# Altium PCB 控制盒基板.PcbDoc (part 4 of 8) (continued)
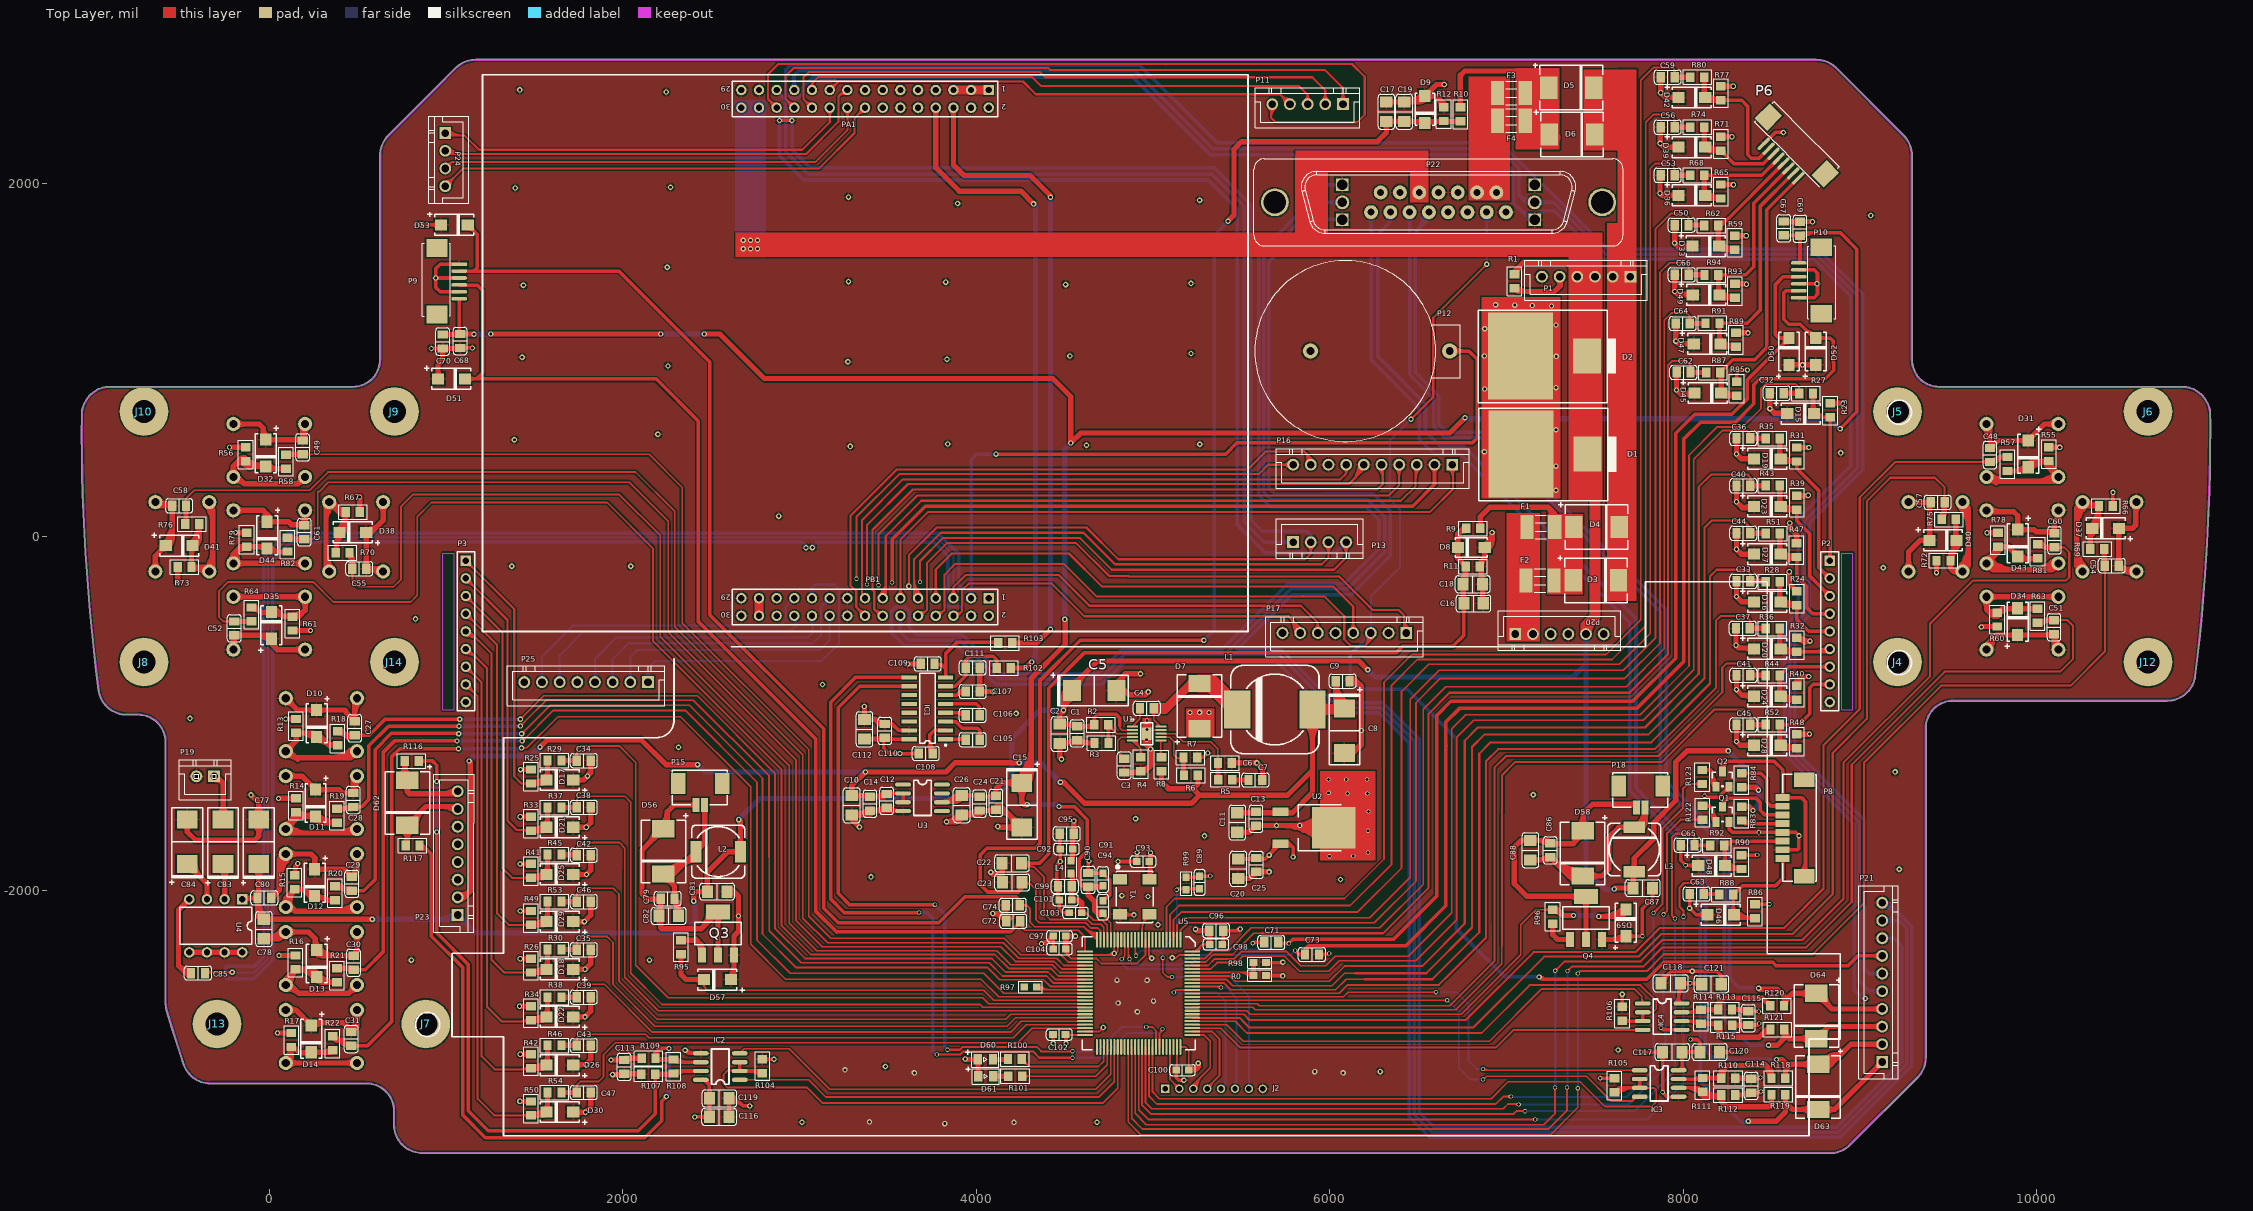
[diagram p0: Top Layer view]
## Nets (pads, with @x,y where several pads share a name; then routed paths per layer and width w, separated by ;. In a path a pad name is that pad's centre, name@x,y a point inside that pad or via, vN(x,y) a via of type N, cw(c..) or ccw(c..) an arc to the next point about the centre after c; other vN are vias at no path point) (continued)
LJ_G2: P8.8 Q2.3 | length 1792.1
  Top Layer w20: Q2.3@8222,-1327.69 8226,-1323.69 8226,-1291 ; P8.8@8685.02,-1920.03 8692,-1913.06 8692,-1498 8669.13,-1475.13 P8.8@8562.97,-1475.13 8562.97,-1317.97 8516,-1271 8246,-1271 ; 8226,-1291 cw(c8198.5,-1291) 8215.88,-1312.31 ccw(c8198.5,-1291) 8226,-1291 ; 8226,-1291 8246,-1271 ; 8246,-1271 ccw(c8283.19,-1308.2) 8231.52,-1318.01 cw(c8283.19,-1308.2) 8246,-1271 ; 8562.97,-1451.75 ccw(c8586.36,-1451.75) 8569.82,-1468.29 cw(c8586.36,-1451.75) 8562.97,-1451.75 ; 8562.97,-1451.75 cw(c8539.59,-1451.75) 8556.13,-1468.29 ccw(c8539.59,-1451.75) 8562.97,-1451.75 ; 8606.04,-1475.13 ccw(c8606.04,-1498.52) 8589.51,-1481.98 cw(c8606.04,-1498.52) 8606.04,-1475.13 ; 8606.04,-1475.13 cw(c8606.04,-1451.75) 8589.51,-1468.29 ccw(c8606.04,-1451.75) 8606.04,-1475.13 ; Q2.3@8211.87,-1321.74 cw(c8238.26,-1316.73) 8219.26,-1297.74 ccw(c8238.26,-1316.73) Q2.3@8211.87,-1321.74 ; P8.8@8662.86,-1897.87 ccw(c8592.52,-1827.53) 8692,-1827.53 cw(c8592.52,-1827.53) P8.8@8662.86,-1897.87 ; P8.8@8677.01,-1912.02 ccw(c8640.81,-1875.82) 8692,-1875.82 cw(c8640.81,-1875.82) P8.8@8677.01,-1912.02 ; 8692,-1861.21 ccw(c8743.85,-1861.21) 8707.19,-1897.87 cw(c8743.85,-1861.21) 8692,-1861.21
MIC_IN: P17.1 PB1.10 | length 4007
  Top Layer w12: PB1.10@3662.56,-437.82 cw(c3694.69,-472.77) 3696.69,-425.33 ; PB1.10@3671,-447 3688,-447 3721,-414 ; 6430.81,-510.34 ccw(c6444.07,-502.69) P17.1@6440.11,-517.47 ; P17.1@6433,-544 6420,-531 6420,-444 6390,-414 6243,-414 6053,-224 4862,-224 4859,-221 4751,-221 4564,-34 3837,-34 3721,-150 3721,-414 ; 3721,-414 cw(c3690.81,-383.81) 3678.04,-424.55 ccw(c3690.81,-383.81) 3721,-414 ; PB1.10@3674.45,-436 ccw(c3684.12,-405.14) 3706.99,-428.01 cw(c3684.12,-405.14) PB1.10@3674.45,-436 ; PB1.10@3694.53,-447 cw(c3710.29,-447) 3699.14,-435.86 ccw(c3710.29,-447) PB1.10@3694.53,-447 ; P17.1@6413.58,-524.58 ccw(c6398.08,-509.08) 6420,-509.08 cw(c6398.08,-509.08) P17.1@6413.58,-524.58 ; 6420,-504.25 ccw(c6472.75,-504.25) 6435.45,-541.55 cw(c6472.75,-504.25) 6420,-504.25 ; 6420,-475.28 ccw(c6501.72,-475.28) 6443.93,-533.06 cw(c6501.72,-475.28) 6420,-475.28 ; 6420,-446.31 ccw(c6530.69,-446.31) 6452.42,-524.58 cw(c6530.69,-446.31) 6420,-446.31
MT1_CTRL: D57.2 R95.2 U5.40 | length 2696.3
  Top Layer w10: D57.2@2460.21,-2505 2460.21,-2546.21 ; U5.40@4615.85,-2622.37 4614.91,-2621.43 4099.43,-2621.43 4043,-2565 2479,-2565 2460.21,-2546.21 ; 2460.21,-2546.21 ccw(c2441.41,-2546.21) 2449.22,-2529.11 cw(c2441.41,-2546.21) 2460.21,-2546.21 ; 2460.21,-2546.21 cw(c2479.01,-2546.21) 2471.21,-2529.11 ccw(c2479.01,-2546.21) 2460.21,-2546.21
  Top Layer w30: R95.2@2330,-2361.37 2330,-2476 2359,-2505 D57.2@2460.21,-2505 ; 2417.43,-2505 ccw(c2417.43,-2465.18) 2445.6,-2493.34 cw(c2417.43,-2465.18) 2417.43,-2505 ; 2417.43,-2505 cw(c2417.43,-2544.83) 2445.6,-2516.66 ccw(c2417.43,-2544.83) 2417.43,-2505
MT2_CTRL: D59.2 R96.2 U5.83 | length 3896.1
  Top Layer w8: U5.83@5222.15,-2681.42 5531.42,-2681.42 5551,-2701 ; 5543,-2693 5551,-2701 ; R96.2@7262,-2109.63 7165,-2109.63 7080,-2194.63 7080,-2365 6744,-2701 5551,-2701 ; 7210.69,-2109.63 ccw(c7210.69,-2062.26) 7244.19,-2095.76 cw(c7210.69,-2062.26) 7210.69,-2109.63 ; 7210.69,-2109.63 cw(c7210.69,-2157) 7244.19,-2123.51 ccw(c7210.69,-2157) 7210.69,-2109.63 ; 7230.01,-2109.63 ccw(c7230.01,-2081.57) 7249.85,-2101.41 cw(c7230.01,-2081.57) 7230.01,-2109.63 ; 7230.01,-2109.63 cw(c7230.01,-2137.69) 7249.85,-2117.85 ccw(c7230.01,-2137.69) 7230.01,-2109.63
  Top Layer w30: R96.2@7262,-2109.63 7288.63,-2109.63 7322,-2143 v1(7379,-2143) ; R96.2@7273.4,-2105.32 ccw(c7316.06,-2080.69) 7303.31,-2128.27 ; v1(7522,-2148) 7636.21,-2148 D59.2@7676,-2108.21 ; 7600.23,-2136.51 cw(c7647.34,-2218.11) D59.2@7671.73,-2127.1 ; 7637.27,-2148.59 ccw(c7615.02,-2110.05) D59.2@7659.51,-2110.86 ; R96.2@7265.94,-2118.25 cw(c7265.94,-2193.85) 7319.4,-2140.4 ccw(c7265.94,-2193.85) R96.2@7265.94,-2118.25 ; 7547.25,-2148 ccw(c7547.25,-1982.41) 7664.34,-2099.5 cw(c7547.25,-1982.41) 7547.25,-2148 ; 7619.68,-2148 ccw(c7619.68,-2054.84) 7685.55,-2120.71 cw(c7619.68,-2054.84) 7619.68,-2148 ; 7642.8,-2141.41 cw(c7676,-2174.61) 7676,-2127.66 ccw(c7676,-2174.61) 7642.8,-2141.41 ; D59.2@7649.93,-2134.28 ccw(c7626.81,-2111.17) 7659.5,-2111.17 cw(c7626.81,-2111.17) D59.2@7649.93,-2134.28
  Bottom Layer w30: v1(7379,-2143) 7517,-2143 v1(7522,-2148)
NetC3_2: C3.2 U1.4 | length 391.2
  Top Layer w8: 4809.82,-1226.45 cw(c4783.98,-1252.3) C3.2@4820.49,-1254.07 ; 4811.78,-1228.41 cw(c4790.19,-1250.01) C3.2@4820.54,-1253.36 ; C3.2@4812.59,-1252.48 ccw(c4768.97,-1247.67) 4800,-1216.63 ; 4816.91,-1230.94 cw(c4810.05,-1256.54) C3.2@4836.46,-1254.25 ; C3.2@4838,-1254.63 4800,-1216.63 ; U1.4@4883.29,-1132.68 4819.32,-1132.68 4800,-1152 4800,-1216.63 ; 4808.68,-1225.31 ccw(c4832.1,-1201.89) 4832.1,-1235.01 cw(c4832.1,-1201.89) 4808.68,-1225.31
NetC4_1: C4.1 D7.2 L1.1 U1.10 | length 951
  Top Layer w8: C4.1@5005.37,-970 5005.37,-1034.29 U1.10@5044.71,-1073.63 ; 5011.43,-1040.35 cw(c4978.15,-1073.63) U1.10@5025.21,-1073.63 ; 5025.08,-1054.01 cw(c5005.46,-1073.63) U1.10@5033.21,-1073.63 ; 5038.74,-1067.66 cw(c5032.77,-1073.63) U1.10@5041.21,-1073.63 ; 5005.37,-1023.28 ccw(c4958,-1023.28) 4991.5,-989.78 cw(c4958,-1023.28) 5005.37,-1023.28 ; 5005.37,-1023.28 cw(c5052.74,-1023.28) 5019.25,-989.78 ccw(c5052.74,-1023.28) 5005.37,-1023.28 ; 5005.37,-1003.96 ccw(c4977.31,-1003.96) 4997.15,-984.12 cw(c4977.31,-1003.96) 5005.37,-1003.96 ; 5005.37,-1003.96 cw(c5033.43,-1003.96) 5013.59,-984.12 ccw(c5033.43,-1003.96) 5005.37,-1003.96
  Top Layer w50: 5070,-976 5215.95,-830.05 D7.2@5263,-830.05
  Top Layer w100: D7.2@5263,-830.05 5330.45,-830.05 L1.1@5477.4,-977
NetC4_2: C4.2 U1.1 | length 358.6
  Top Layer w8: U1.1@4883.29,-1073.63 4926.63,-1030.29 C4.2@4926.63,-970 ; 4926.63,-1023.28 ccw(c4879.26,-1023.28) 4912.75,-989.78 cw(c4879.26,-1023.28) 4926.63,-1023.28 ; 4926.63,-1023.28 cw(c4974,-1023.28) 4940.5,-989.78 ccw(c4974,-1023.28) 4926.63,-1023.28 ; 4926.63,-1003.96 ccw(c4898.57,-1003.96) 4918.41,-984.12 cw(c4898.57,-1003.96) 4926.63,-1003.96 ; 4926.63,-1003.96 cw(c4954.69,-1003.96) 4934.85,-984.12 ccw(c4954.69,-1003.96) 4926.63,-1003.96
NetC6_2: C6.2 R5.2 U1.8 | length 815
  Top Layer w8: U1.8@5044.71,-1113 5125,-1113 5170,-1158 5327,-1158 5367.63,-1198.63 C6.2@5367.63,-1279 ; 5367.63,-1247.01 ccw(c5395.69,-1247.01) 5375.85,-1266.85 cw(c5395.69,-1247.01) 5367.63,-1247.01 ; 5367.63,-1247.01 cw(c5339.57,-1247.01) 5359.41,-1266.85 ccw(c5339.57,-1247.01) 5367.63,-1247.01 ; 5367.63,-1227.69 ccw(c5415,-1227.69) 5381.5,-1261.19 cw(c5415,-1227.69) 5367.63,-1227.69 ; 5367.63,-1227.69 cw(c5320.26,-1227.69) 5353.75,-1261.19 ccw(c5320.26,-1227.69) 5367.63,-1227.69
  Top Layer w30: C6.2@5367.63,-1279 5367.63,-1372 R5.2@5369.63,-1374 ; 5367.63,-1344.42 ccw(c5395.27,-1344.42) 5375.73,-1363.97 cw(c5395.27,-1344.42) 5367.63,-1344.42
NetC7_2: C7.2 R5.1 | length 136.2
  Top Layer w30: R5.1@5448.37,-1374 5450.37,-1376 C7.2@5540.63,-1376 ; R5.1@5454.47,-1384.03 cw(c5473.86,-1403.43) 5473.86,-1376 ccw(c5473.86,-1403.43) R5.1@5454.47,-1384.03
NetC79_1: C79.1 C82.2 D56.1 P15.2 Q3.2 Q3.4 | length 2994.3
  Top Layer w30: 2166.23,-1710.95 cw(c2243.37,-1731.62) D56.1@2217.58,-1656.03 ; C82.2@2204.88,-2145 C82.2@2214.63,-2135.25 ; 2207.54,-2104.59 ccw(c2221.76,-2112.8) C82.2@2213.34,-2126.9 ; P15.2@2414.39,-1517.02 2290.98,-1517.02 2252,-1556 ; 2446.99,-2214.96 ccw(c2354.98,-2122.95) Q3.4@2485.1,-2122.95 ; 2457.24,-2204.71 ccw(c2388.37,-2135.84) Q3.4@2485.25,-2125.78 ; 2477.34,-2175.33 cw(c2559.94,-2188.51) Q3.4@2510.85,-2120.78 ; Q3.4@2498.2,-2163.75 ccw(c2457.41,-2122.95) Q3.4@2515.1,-2122.95 ; Q3.2@2539,-2367.05 Q3.4@2539,-2122.95 2443.95,-2218 2222,-2218 2214.63,-2210.63 C82.2@2214.63,-2135.25 ; C82.2@2214.63,-2135.25 C79.1@2214.63,-2047 2210.63,-2051 2143,-2051 2109,-2017 2109,-1773.05 D56.1@2230,-1652.05 2252,-1630.05 2252,-1556 ; 2252,-1556 cw(c2156.31,-1556) 2220.74,-1626.75 ccw(c2156.31,-1556) 2252,-1556 ; 2539,-2188.92 ccw(c2473.04,-2188.92) 2519.68,-2142.27 cw(c2473.04,-2188.92) 2539,-2188.92 ; 2539,-2188.92 cw(c2604.96,-2188.92) 2558.32,-2142.27 ccw(c2604.96,-2188.92) 2539,-2188.92 ; 2148.07,-1733.97 ccw(c2066.15,-1652.05) 2182.01,-1652.05 cw(c2066.15,-1652.05) 2148.07,-1733.97 ; D56.1@2181.34,-1700.71 cw(c2216.22,-1735.59) 2216.22,-1686.26 ccw(c2216.22,-1735.59) D56.1@2181.34,-1700.71 ; 2189.21,-2051 cw(c2189.21,-2078.32) 2208.53,-2059 ccw(c2189.21,-2078.32) 2189.21,-2051 ; C82.2@2193.22,-2129.4 ccw(c2141.52,-2077.7) 2214.63,-2077.7 cw(c2141.52,-2077.7) C82.2@2193.22,-2129.4 ; C82.2@2193.34,-2160.72 cw(c2143.69,-2211.39) 2214.63,-2211.39 ccw(c2143.69,-2211.39) C82.2@2193.34,-2160.72 ; 2252,-1589.29 ccw(c2306.53,-1589.29) 2267.97,-1627.85 cw(c2306.53,-1589.29) 2252,-1589.29
NetC79_2: C79.2 C82.1 D56.2 L2.1 P15.1 | length 2285.2
  Top Layer w30: D56.2@2247.43,-1910.06 cw(c2353.95,-1971.56) 2322.11,-1852.75 ; D56.2@2262.48,-1879.3 ccw(c2293.32,-1832.06) 2307.92,-1886.55 ccw(c2319.42,-1929.46) D56.2@2276.69,-1917.31 ; D56.2@2275.21,-1921.46 ccw(c2313.15,-1937.76) 2283.96,-1966.96 ; D56.2@2276.93,-1916.42 ccw(c2337.77,-1931.96) 2293.37,-1976.37 ; C79.2@2301.7,-2055.14 ccw(c2349.27,-2067.88) 2306.62,-2092.51 ; C82.1@2315.12,-2145 2314.37,-2144.25 2314.37,-2068 C79.2@2293.37,-2047 2293.37,-1976.37 ; P15.1@2463.61,-1517.02 2463.61,-1731.41 ; 2293.37,-1976.37 2230,-1913 D56.2@2230,-1907.95 2287.06,-1907.95 L2.1@2414.02,-1781 2463.61,-1731.41 ; 2463.61,-1731.41 cw(c2439.11,-1706.91) 2422.11,-1737.1 ccw(c2439.11,-1706.91) 2463.61,-1731.41 ; D56.2@2243.78,-1942.16 cw(c2243.78,-1979.31) 2270.04,-1953.04 ccw(c2243.78,-1979.31) D56.2@2243.78,-1942.16 ; D56.2@2243.78,-1903.74 ccw(c2243.78,-1789.07) 2324.86,-1870.15 cw(c2243.78,-1789.07) D56.2@2243.78,-1903.74 ; D56.2@2243.78,-1873.74 ccw(c2243.78,-1686.65) 2376.08,-1818.94 cw(c2243.78,-1686.65) D56.2@2243.78,-1873.74 ; C79.2@2287.27,-2059 cw(c2221.86,-2124.42) 2314.37,-2124.42 ccw(c2221.86,-2124.42) C79.2@2287.27,-2059 ; C82.1@2300.83,-2132.82 ccw(c2255.74,-2106.78) 2306.03,-2093.31 cw(c2255.74,-2106.78) C82.1@2300.83,-2132.82 ; C82.1@2303.45,-2129.4 ccw(c2277.1,-2103.05) 2314.37,-2103.05 cw(c2277.1,-2103.05) C82.1@2303.45,-2129.4 ; 2314.37,-2099.43 ccw(c2356.75,-2099.43) 2326.78,-2129.4 cw(c2356.75,-2099.43) 2314.37,-2099.43 ; 2335.45,-1859.57 cw(c2414.02,-1938.13) 2414.02,-1827.02 ccw(c2414.02,-1938.13) 2335.45,-1859.57
NetC83_1: C83.1 U4.2 | length 588.1
  Top Layer w30: C83.1@-261,-1850.98 -252.5,-1859.49 U4.2@-252.5,-2050.98 ; -252.5,-2015.91 ccw(c-217.42,-2015.91) -242.22,-2040.71 cw(c-217.42,-2015.91) -252.5,-2015.91 ; -252.5,-2015.91 cw(c-287.57,-2015.91) -262.77,-2040.71 ccw(c-287.57,-2015.91) -252.5,-2015.91 ; C83.1@-278.71,-1876.57 cw(c-342,-1939.85) -252.5,-1939.85 ccw(c-342,-1939.85) C83.1@-278.71,-1876.57 ; -252.5,-1936.81 cw(c-167.3,-1936.81) -227.54,-1876.57 ccw(c-167.3,-1936.81) -252.5,-1936.81
NetC84_1: C84.1 U4.3 | length 711.4
  Top Layer w30: C84.1@-464,-1850.98 -352.5,-1962.49 U4.3@-352.5,-2050.98 ; C84.1@-457.8,-1856.93 cw(c-478.86,-1931.87) -403.67,-1911.73 ; -352.5,-2015.91 ccw(c-317.42,-2015.91) -342.22,-2040.71 cw(c-317.42,-2015.91) -352.5,-2015.91 ; -352.5,-2015.91 cw(c-387.57,-2015.91) -362.77,-2040.71 ccw(c-387.57,-2015.91) -352.5,-2015.91 ; C84.1@-456.13,-1887.17 cw(c-456.13,-1955.5) -407.8,-1907.18 ccw(c-456.13,-1955.5) C84.1@-456.13,-1887.17 ; C84.1@-419.94,-1850.98 ccw(c-313.59,-1850.98) -388.79,-1926.19 cw(c-313.59,-1850.98) C84.1@-419.94,-1850.98
NetC85_2: C85.2 U4.4 | length 786.2
  Top Layer w30: -495.73,-2443.27 ccw(c-462.27,-2409.81) C85.2@-445.44,-2454.04 ; C85.2@-464.55,-2474.45 ccw(c-442.75,-2452.65) C85.2@-441.51,-2483.46 ; C85.2@-462.96,-2476.04 ccw(c-444.2,-2457.28) C85.2@-434.77,-2482.08 ; U4.4@-452.5,-2050.98 -513,-2111.49 -513,-2426 ; C85.2@-442.71,-2453.48 cw(c-446.48,-2359.49) -513,-2426 ; C85.2@-442.37,-2468 -471,-2468 -513,-2426 ; -477.3,-2075.78 ccw(c-502.1,-2050.98) -467.02,-2050.98 cw(c-502.1,-2050.98) -477.3,-2075.78 ; -477.3,-2075.78 cw(c-452.5,-2100.58) -452.5,-2065.51 ccw(c-452.5,-2100.58) -477.3,-2075.78
NetC86_1: C86.1 C88.2 D58.1 P18.2 Q4.2 Q4.4 | length 2951.6
  Top Layer w30: 7205.2,-1722.95 ccw(c7226.19,-1686.58) C86.1@7239.39,-1726.44 ; D58.1@7386.85,-1678.8 cw(c7343.36,-1701.35) 7378,-1736 ; Q4.2@7450,-2278.05 Q4.4@7450,-2033.95 7115.95,-2033.95 7044,-1962 7044,-1756 7082.12,-1717.88 C88.2@7136,-1717.88 7231.25,-1717.88 7249.37,-1736 7378,-1736 ; P18.2@7735.39,-1532.02 7716.39,-1513.02 7486.98,-1513.02 7434,-1566 7434,-1660.05 D58.1@7431,-1663.05 7431,-1683 7378,-1736 ; 7092.24,-1717.88 ccw(c7092.24,-1678.06) 7120.4,-1706.22 cw(c7092.24,-1678.06) 7092.24,-1717.88 ; 7092.24,-1717.88 cw(c7092.24,-1757.71) 7120.4,-1729.55 ccw(c7092.24,-1757.71) 7092.24,-1717.88 ; 7179.76,-1717.88 ccw(c7179.76,-1757.71) 7151.6,-1729.55 cw(c7179.76,-1757.71) 7179.76,-1717.88 ; 7179.76,-1717.88 cw(c7179.76,-1678.06) 7151.6,-1706.22 ccw(c7179.76,-1678.06) 7179.76,-1717.88 ; 7357.46,-2033.95 ccw(c7357.46,-1967.99) 7404.11,-2014.63 cw(c7357.46,-1967.99) 7357.46,-2033.95 ; 7357.46,-2033.95 cw(c7357.46,-2099.92) 7404.11,-2053.27 ccw(c7357.46,-2099.92) 7357.46,-2033.95 ; 7450,-2099.92 ccw(c7384.04,-2099.92) 7430.68,-2053.27 cw(c7384.04,-2099.92) 7450,-2099.92 ; 7450,-2099.92 cw(c7515.96,-2099.92) 7469.32,-2053.27 ccw(c7515.96,-2099.92) 7450,-2099.92 ; 7180.85,-1717.88 cw(c7180.85,-1795.88) 7236,-1740.73 ccw(c7180.85,-1795.88) 7180.85,-1717.88 ; C86.1@7260,-1728.53 ccw(c7278.03,-1710.51) 7278.03,-1736 cw(c7278.03,-1710.51) C86.1@7260,-1728.53 ; D58.1@7406.81,-1638.85 ccw(c7341.16,-1573.21) 7434,-1573.21 cw(c7341.16,-1573.21) D58.1@7406.81,-1638.85 ; 7434,-1587.69 ccw(c7506.36,-1587.69) 7455.19,-1638.85 cw(c7506.36,-1587.69) 7434,-1587.69
NetC86_2: C86.2 C88.1 D58.2 L3.1 P18.1 | length 3237.4
  Top Layer w30: C88.1@7136,-1828.12 7233.25,-1828.12 C86.2@7248,-1813.37 7353.58,-1918.95 ; 7208.26,-1823.29 cw(c7225.5,-1853.15) C86.2@7238.78,-1821.33 ; C86.2@7250.18,-1815.55 ccw(c7417.22,-1648.51) D58.2@7417.22,-1884.74 ; C86.2@7262.23,-1811.14 ccw(c7294.71,-1802.44) 7277.9,-1831.55 ; 7279.82,-1845.19 ccw(c7383.14,-1741.88) D58.2@7410.76,-1885.36 ; 7301.39,-1866.76 ccw(c7417.22,-1750.93) D58.2@7417.22,-1914.74 ; 7319.81,-1885.18 ccw(c7396.05,-1808.94) D58.2@7416.42,-1914.82 ; 7329.87,-1879.55 cw(c7321.06,-2002.23) D58.2@7414.04,-1921.71 ; 7352.61,-1917.98 ccw(c7417.22,-1853.36) D58.2@7417.22,-1944.74 ; 7359.8,-1925.17 ccw(c7408.96,-1876.01) D58.2@7422.09,-1944.28 ; L3.1@7768.12,-1637.63 cw(c7826.04,-1617.63) 7776.02,-1582.23 ; P18.1@7784.61,-1532.02 P18.1@7787,-1534.41 ; 7179.76,-1828.12 ccw(c7179.76,-1867.94) 7151.6,-1839.78 cw(c7179.76,-1867.94) 7179.76,-1828.12 ; 7179.76,-1828.12 cw(c7179.76,-1788.29) 7151.6,-1816.45 ccw(c7179.76,-1788.29) 7179.76,-1828.12 ; 7353.59,-1918.95 ccw(c7353.59,-1876.88) 7388.68,-1900.08 cw(c7353.59,-1876.88) 7353.59,-1918.95 ; 7353.59,-1918.95 cw(c7353.59,-1961.03) 7388.68,-1937.82 ccw(c7353.59,-1961.03) 7353.59,-1918.95 ; 7353.58,-1918.95 D58.2@7431,-1918.95 7540.05,-1918.95 7578,-1881 7578,-1701 7635.98,-1643.02 L3.1@7723,-1643.02 7749.98,-1643.02 7787,-1606 P18.1@7787,-1534.41 ; 7527.38,-1918.95 ccw(c7527.38,-2001.55) 7468.97,-1943.14 cw(c7527.38,-2001.55) 7527.38,-1918.95 ; 7527.38,-1918.95 cw(c7527.38,-1836.36) 7468.97,-1894.76 ccw(c7527.38,-1836.36) 7527.38,-1918.95 ; 7653.65,-1643.02 ccw(c7653.65,-1603.19) 7681.81,-1631.35 cw(c7653.65,-1603.19) 7653.65,-1643.02 ; 7653.65,-1643.02 cw(c7653.65,-1682.84) 7681.81,-1654.68 ccw(c7653.65,-1682.84) 7653.65,-1643.02 ; P18.1@7787,-1534.42 cw(c7662.32,-1534.42) 7741.99,-1630.33 ccw(c7662.32,-1534.42) P18.1@7787,-1534.42 ; 7185.67,-1828.12 ccw(c7185.67,-1756.95) 7236,-1807.27 cw(c7185.67,-1756.95) 7185.67,-1828.12 ; C86.2@7262.53,-1813.37 ccw(c7297.6,-1813.37) 7272.8,-1838.17 cw(c7297.6,-1813.37) C86.2@7262.53,-1813.37 ; L3.1@7752.53,-1626.52 ccw(c7752.53,-1592.84) 7776.34,-1616.66 cw(c7752.53,-1592.84) L3.1@7752.53,-1626.52 ; L3.1@7761.16,-1653.4 ccw(c7715.42,-1598.34) 7787,-1598.34 cw(c7715.42,-1598.34) L3.1@7761.16,-1653.4 ; L3.1@7769.02,-1643.02 cw(c7814.99,-1643.02) 7782.49,-1610.51 ccw(c7814.99,-1643.02) L3.1@7769.02,-1643.02
NetC105_1: C105.1 IC1.3 | length 369.8
  Top Layer w20: IC1.3@3826.36,-1045 3884,-1045 3922,-1083 4007,-1083 4019,-1095 4019,-1147.63 C105.1@4019.37,-1148 ; C105.1@4009.74,-1132.46 ccw(c3987.38,-1110.1) 4019,-1110.1 cw(c3987.38,-1110.1) C105.1@4009.74,-1132.46 ; 4019,-1108.31 ccw(c4053.15,-1108.31) 4029,-1132.46 cw(c4053.15,-1108.31) 4019,-1108.31
NetC105_2: C105.2 IC1.1 | length 218.8
  Top Layer w20: IC1.1@3826.36,-1145 3937.63,-1145 C105.2@3940.63,-1148 ; 3900.73,-1145 ccw(c3900.73,-1102.19) 3931,-1132.46 cw(c3900.73,-1102.19) 3900.73,-1145 ; 3914.76,-1145 cw(c3914.76,-1167.97) 3931,-1151.73 ccw(c3914.76,-1167.97) 3914.76,-1145
NetC106_1: C106.1 IC1.5 | length 350
  Top Layer w20: IC1.5@3826.36,-945 4000,-945 4019.37,-964.37 C106.1@4019.37,-1010 ; 4019.37,-971.21 ccw(c4052.26,-971.21) 4029,-994.46 cw(c4052.26,-971.21) 4019.37,-971.21 ; 4019.37,-971.21 cw(c3986.48,-971.21) 4009.74,-994.46 ccw(c3986.48,-971.21) 4019.37,-971.21
NetC106_2: C106.2 IC1.4 | length 244
  Top Layer w20: IC1.4@3826.36,-995 3925.63,-995 C106.2@3940.63,-1010 ; 3908.92,-1000.98 ccw(c3916.66,-987.56) C106.2@3929.42,-996.36 ; 3885.79,-995 cw(c3885.79,-1058.94) 3931,-1013.73 ccw(c3885.79,-1058.94) 3885.79,-995
NetC107_1: C107.1 IC1.6 | length 428.3
  Top Layer w20: IC1.6@3826.36,-895 3890,-895 ; 3894.69,-890.31 cw(c3916.33,-911.96) C107.1@3933.15,-886.38 ; 3897.4,-887.6 cw(c3931.44,-921.65) C107.1@3942.03,-874.68 ; 3906.4,-878.6 cw(c3927.05,-899.24) C107.1@3944.43,-875.78 ; 3912.05,-872.95 cw(c3930.11,-891.01) C107.1@3944.13,-869.67 ; C107.1@3932.52,-891.85 ccw(c3913.09,-918.09) 3890,-895 ; C107.1@3940.63,-875 3910,-875 ; 3890,-895 3910,-875 ; 3910,-875 ccw(c3910,-847.38) 3930.51,-865.88 cw(c3910,-847.38) 3910,-875 ; 3910,-875 cw(c3910,-902.62) 3930.51,-884.12 ccw(c3910,-902.62) 3910,-875
NetC108_2: C108.2 IC1.2 | length 528.7
  Top Layer w20: 3730.64,-1183.64 cw(c3703.96,-1210.31) C108.2@3741,-1217.5 ; C108.2@3741.83,-1214.78 ccw(c3721.03,-1205.97) 3737,-1190 ; C108.2@3742.95,-1212.66 ccw(c3713.33,-1193.38) 3743.94,-1175.71 ; C108.2@3754.37,-1226 3754.37,-1207.37 3737,-1190 ; IC1.2@3826.36,-1095 3763,-1095 3737,-1121 3737,-1190 ; 3737,-1193.56 ccw(c3780.91,-1193.56) 3749.86,-1224.6 cw(c3780.91,-1193.56) 3737,-1193.56 ; 3737,-1145.27 ccw(c3829.19,-1145.27) 3764,-1210.46 cw(c3829.19,-1145.27) 3737,-1145.27
NetC109_1: C109.1 IC1.8 R103.1 | length 738.8
  Top Layer w20: C109.1@3764.37,-719 3768.37,-723 3806,-723 3826.36,-743.36 ; IC1.8@3826.36,-795 3826.36,-743.36 ; R103.1@4124.63,-601 4120.63,-597 3891,-597 3826.36,-661.64 3826.36,-743.36 ; C109.1@3774,-734.54 cw(c3801.86,-762.39) 3801.86,-723 ccw(c3801.86,-762.39) C109.1@3774,-734.54 ; C109.1@3774,-715.27 ccw(c3792.66,-696.62) 3792.66,-723 cw(c3792.66,-696.62) C109.1@3774,-715.27 ; 4091.59,-597 cw(c4091.59,-630.1) 4115,-606.7 ccw(c4091.59,-630.1) 4091.59,-597 ; 4091.9,-597 ccw(c4091.9,-564.33) 4115,-587.43 cw(c4091.9,-564.33) 4091.9,-597
NetC111_1: C111.1 IC1.7 R102.1 | length 775.7
  Top Layer w20: IC1.7@3826.36,-845 3881,-845 3940.63,-785.37 C111.1@3940.63,-741 3940.63,-697.37 3962,-676 4096,-676 4116.63,-696.63 R102.1@4116.63,-742 ; 3940.63,-779.79 ccw(c3907.74,-779.79) 3931,-756.54 cw(c3907.74,-779.79) 3940.63,-779.79 ; 3940.63,-779.79 cw(c3973.52,-779.79) 3950.26,-756.54 ccw(c3973.52,-779.79) 3940.63,-779.79 ; 3940.63,-702.21 ccw(c3973.52,-702.21) 3950.26,-725.46 cw(c3973.52,-702.21) 3940.63,-702.21 ; 3940.63,-702.21 cw(c3907.74,-702.21) 3931,-725.46 ccw(c3907.74,-702.21) 3940.63,-702.21 ; 4116.63,-705.18 ccw(c4149.52,-705.18) 4126.26,-728.43 cw(c4149.52,-705.18) 4116.63,-705.18 ; 4116.63,-705.18 cw(c4083.74,-705.18) 4107,-728.43 ccw(c4083.74,-705.18) 4116.63,-705.18
NetD10_2: D10.2 K_H1.2 R13.1 R18.2 | length 2376.9
  Top Layer w30: K_H1.2@89.7,-1215.99 ccw(c146.05,-1173.83) 136.01,-1243.48 ; K_H1.2@96.66,-1237.82 cw(c105.91,-1315.37) 161.14,-1260.14 ; K_H1.2@100.63,-1237.01 cw(c114.81,-1286.18) 151,-1250 ; 216.66,-1117.59 ccw(c235.86,-1084.34) D10.2@258.34,-1115.46 ; D10.2@268,-1151.24 cw(c268,-1258.03) 343.52,-1182.52 ; D10.2@269.59,-1151.16 cw(c277.53,-1233.47) 336,-1175 ; R18.2@387,-1179.37 382.63,-1175 336,-1175 ; 407.55,-1236.67 cw(c447.79,-1306.35) K_H1.2@485.22,-1235.12 ; 446.74,-1247.5 ccw(c420.96,-1202.84) K_H1.2@472.07,-1209.68 ; 454.69,-1209.45 cw(c477.73,-1249.37) K_H1.2@499.18,-1208.57 ; 457.09,-1241.52 cw(c479.03,-1279.51) K_H1.2@490.38,-1237.14 ; K_H1.2@471.99,-1215.64 cw(c429.95,-1220.1) 459.85,-1250 ; K_H1.2@494.21,-1237.85 ccw(c489.74,-1279.89) 459.85,-1250 ; K_H1.2@496.85,-1212.99 459.84,-1250 ; 136.38,-1170.31 ccw(c179.06,-1212.99) 118.7,-1212.99 cw(c179.06,-1212.99) 136.38,-1170.31 ; 136.38,-1170.31 cw(c93.7,-1127.64) 93.7,-1187.99 ccw(c93.7,-1127.64) 136.38,-1170.31 ; 151,-1250 459.84,-1250 ; 151,-1250 113.99,-1212.99 K_H1.2@93.7,-1212.99 152,-1154.69 R13.1@152,-1109.37 245.58,-1109.37 D10.2@268,-1131.79 292.79,-1131.79 336,-1175 ; 181.18,-1109.37 cw(c181.18,-1215.65) 256.34,-1140.5 ccw(c181.18,-1215.65) 181.18,-1109.37 ; 347.15,-1250 ccw(c347.15,-1063.29) 479.17,-1195.31 cw(c347.15,-1063.29) 347.15,-1250 ; 351.7,-1175 cw(c351.7,-1210.74) 376.97,-1185.47 ccw(c351.7,-1210.74) 351.7,-1175 ; 419.58,-1250 ccw(c419.58,-1135.72) 500.39,-1216.53 cw(c419.58,-1135.72) 419.58,-1250
NetD11_2: D11.2 K_H2.2 R14.1 R19.2 | length 3279.5
  Top Layer w30: K_H2.2@87.23,-1629.79 ccw(c68.76,-1560.87) 130.56,-1596.54 ; K_H2.2@87.65,-1629.68 ccw(c67.77,-1549.95) 138.94,-1591.03 ; K_H2.2@102.5,-1645.14 ccw(c15.73,-1558.37) R14.1@138.44,-1558.37 ; K_H2.2@108.62,-1674 cw(c121.15,-1690.85) 136,-1676 ; K_H2.2@111.72,-1671.26 cw(c140.3,-1698.74) 160.13,-1664.4 ; K_H2.2@114.81,-1632.83 ccw(c54.96,-1572.99) R14.1@138.55,-1559.72 ; 121.24,-1621.68 ccw(c150.67,-1638.67) 117.85,-1647.47 cw(c165.52,-1634.69) 122.78,-1610.01 ; 134.52,-1598.2 cw(c183.5,-1603.33) R14.1@152.49,-1565.07 ; 153.71,-1593.92 ccw(c118.16,-1558.37) R14.1@168.44,-1558.37 ; 156.42,-1591.22 ccw(c126.79,-1561.59) R14.1@168.18,-1555.02 ; R14.1@157.17,-1566.7 cw(c169.92,-1614.27) 194.54,-1571.62 ; 199.54,-1573.01 ccw(c217.07,-1507.59) D11.2@253.2,-1564.88 ; D11.2@262,-1601.24 cw(c262,-1666.99) 308.5,-1620.5 ; D11.2@263.07,-1601.2 cw(c266.59,-1655.41) 305,-1617 ; D11.2@267.12,-1600.42 cw(c292.33,-1677.6) 332.92,-1607.29 ; R19.2@384,-1617.37 383.63,-1617 305,-1617 ; 430.43,-1664.4 cw(c450.25,-1698.74) K_H2.2@478.83,-1671.26 ; K_H2.2@496.85,-1653.94 474.79,-1676 136,-1676 ; 136,-1676 113.94,-1653.94 K_H2.2@93.7,-1653.94 151,-1596.64 R14.1@151,-1558.37 165.37,-1558.37 188.79,-1581.79 ; 136.38,-1611.26 ccw(c179.06,-1653.94) 118.7,-1653.94 cw(c179.06,-1653.94) 136.38,-1611.26 ; 136.38,-1611.26 cw(c93.7,-1568.58) 93.7,-1628.94 ccw(c93.7,-1568.58) 136.38,-1611.26 ; 188.79,-1581.79 cw(c188.79,-1556.51) 163.55,-1557.9 ccw(c188.79,-1556.51) 188.79,-1581.79 ; 188.79,-1581.79 D11.2@262,-1581.79 269.79,-1581.79 305,-1617 ; 222.18,-1581.79 ccw(c222.18,-1541.96) 250.34,-1570.12 cw(c222.18,-1541.96) 222.18,-1581.79 ; 222.18,-1581.79 cw(c222.18,-1621.61) 250.34,-1593.45 ccw(c222.18,-1621.61) 222.18,-1581.79 ; K_H2.2@90.17,-1657.47 ccw(c134.89,-1612.75) 134.89,-1676 cw(c134.89,-1612.75) K_H2.2@90.17,-1657.47 ; K_H2.2@111.38,-1636.26 ccw(c207.32,-1540.32) 207.32,-1676 cw(c207.32,-1540.32) K_H2.2@111.38,-1636.26 ; R14.1@154.94,-1566.99 cw(c154.94,-1612.99) 187.47,-1580.47 ccw(c154.94,-1612.99) R14.1@154.94,-1566.99 ; R14.1@161.03,-1552.27 ccw(c232.29,-1481.02) 232.29,-1581.79 cw(c232.29,-1481.02) R14.1@161.03,-1552.27 ; D11.2@252.45,-1594.29 ccw(c307.28,-1539.46) 307.28,-1617 cw(c307.28,-1539.46) D11.2@252.45,-1594.29 ; D11.2@273.67,-1573.08 ccw(c379.71,-1467.04) 379.71,-1617 cw(c379.71,-1467.04) D11.2@273.67,-1573.08 ; 383.23,-1676 ccw(c383.23,-1540.32) 479.17,-1636.26 cw(c383.23,-1540.32) 383.23,-1676 ; 455.66,-1676 ccw(c455.66,-1612.75) 500.39,-1657.47 cw(c455.66,-1612.75) 455.66,-1676
NetD12_2: D12.2 K_H3.2 R15.1 R20.2 | length 2046
  Top Layer w30: K_H3.2@97.18,-2098.47 ccw(c48.17,-2047.97) 118.54,-2049.02 ; K_H3.2@108.52,-2115.02 cw(c126.52,-2139.47) 148,-2118 ; 128.49,-2021.23 ccw(c100.39,-2005) R15.1@131.74,-1996.6 ; 192.37,-1994.37 ccw(c241.54,-1945.2) D12.2@254.04,-2013.61 ; 206.95,-2008.95 ccw(c232.37,-1983.54) D12.2@249.25,-2015.27 ; R20.2@372,-2055.37 329.37,-2055.37 317,-2043 267.21,-2043 D12.2@257,-2032.79 230.79,-2032.79 192.37,-1994.37 R15.1@144,-1994.37 93.7,-2044.67 K_H3.2@93.7,-2094.88 124.88,-2094.88 148,-2118 ; 428.81,-2106.28 cw(c449.84,-2142.71) K_H3.2@479.33,-2112.71 ; K_H3.2@496.85,-2094.88 473.73,-2118 148,-2118 ; 93.7,-2044.67 ccw(c131.62,-2044.67) 108.77,-2074.93 cw(c131.62,-2044.67) 93.7,-2044.67 ; 93.7,-2044.67 cw(c55.78,-2044.67) 78.63,-2074.93 ccw(c55.78,-2044.67) 93.7,-2044.67 ; K_H3.2@88.85,-2096.1 cw(c154.43,-2079.58) 106.61,-2031.76 ccw(c154.43,-2079.58) K_H3.2@88.85,-2096.1 ; K_H3.2@117.94,-2088.77 cw(c214.16,-2064.53) R15.1@144,-1994.37 ccw(c214.16,-2064.53) K_H3.2@117.94,-2088.77 ; R15.1@122.56,-2015.81 ccw(c101.12,-1994.37) 131.44,-1994.37 cw(c101.12,-1994.37) R15.1@122.56,-2015.81 ; D12.2@268.67,-2024.08 ccw(c314.35,-1978.39) 314.35,-2043 cw(c314.35,-1978.39) D12.2@268.67,-2024.08 ; 380.68,-2118 ccw(c380.68,-1978.72) 479.17,-2077.2 cw(c380.68,-1978.72) 380.68,-2118 ; 453.11,-2118 ccw(c453.11,-2051.14) 500.39,-2098.42 cw(c453.11,-2051.14) 453.11,-2118
NetD13_2: D13.2 K_H4.2 R16.1 R21.2 | length 2583.4
  Top Layer w30: K_H4.2@96.49,-2539.98 ccw(c57.18,-2481.6) 126.26,-2495.08 ; K_H4.2@97.98,-2560.46 cw(c111.24,-2636.76) 166,-2582 ; 133.07,-2477.42 ccw(c101.32,-2459.09) R16.1@136.74,-2449.6 ; R16.1@157.25,-2454.84 cw(c172.97,-2482.06) 181.1,-2451.7 ; 206.88,-2457.14 ccw(c250.17,-2403.54) D13.2@265.36,-2470.75 ; 243.57,-2449.53 cw(c224.79,-2472.79) D13.2@253.28,-2481.84 ; D13.2@275.55,-2507.88 cw(c300.89,-2566.52) 332.84,-2511.2 ; R21.2@383,-2520.37 299.58,-2520.37 229,-2449.79 229,-2444 R16.1@152.37,-2444 ; K_H4.2@496.85,-2535.83 450.68,-2582 166,-2582 ; R16.1@152.38,-2444 cw(c152.38,-2571.79) 255.67,-2496.55 ccw(c152.38,-2571.79) R16.1@152.38,-2444 ; R16.1@152.37,-2444 ccw(c234.46,-2526.09) 118.64,-2534.1 cw(c234.46,-2526.09) R16.1@152.37,-2444 ; R16.1@152.37,-2444 93.7,-2502.67 K_H4.2@93.7,-2535.83 119.83,-2535.83 166,-2582 ; 454.17,-2578.51 ccw(c411.5,-2535.83) 471.85,-2535.83 cw(c411.5,-2535.83) 454.17,-2578.51 ; 454.17,-2578.51 cw(c496.85,-2621.18) 496.85,-2560.83 ccw(c496.85,-2621.18) 454.17,-2578.51 ; K_H4.2@88.71,-2536.17 cw(c147.3,-2532.12) 105.77,-2490.6 ccw(c147.3,-2532.12) K_H4.2@88.71,-2536.17 ; R16.1@127.56,-2468.81 ccw(c106.12,-2447.37) 136.44,-2447.37 cw(c106.12,-2447.37) R16.1@127.56,-2468.81 ; R16.1@159.03,-2453.47 cw(c181.89,-2476.32) 181.89,-2444 ccw(c181.89,-2476.32) R16.1@159.03,-2453.47 ; 211.35,-2444 cw(c211.35,-2528.83) 279.92,-2478.88 ccw(c211.35,-2528.83) 211.35,-2444 ; 235.8,-2456.59 ccw(c269,-2423.39) 269,-2470.34 cw(c269,-2423.39) 235.8,-2456.59 ; D13.2@242.93,-2463.72 cw(c219.81,-2486.84) 252.5,-2486.84 ccw(c219.81,-2486.84) D13.2@242.93,-2463.72 ; D13.2@259.45,-2502.29 ccw(c303.1,-2458.64) 303.1,-2520.37 cw(c303.1,-2458.64) D13.2@259.45,-2502.29 ; D13.2@280.67,-2481.08 ccw(c375.53,-2386.21) 375.53,-2520.37 cw(c375.53,-2386.21) D13.2@280.67,-2481.08